# Altium PCB ATOL_POWER_BOARD_R02A03_20191009.PcbDoc
Units mm, origin at the board's own origin, x right, y up, seen from the top; angles counter-clockwise.
Board outline 85 x 64 mm, 2 copper layers (Top Layer, Bottom Layer), stack 0.325 mm thick; 36 components, 19 nets, 115 pads, 90 vias.
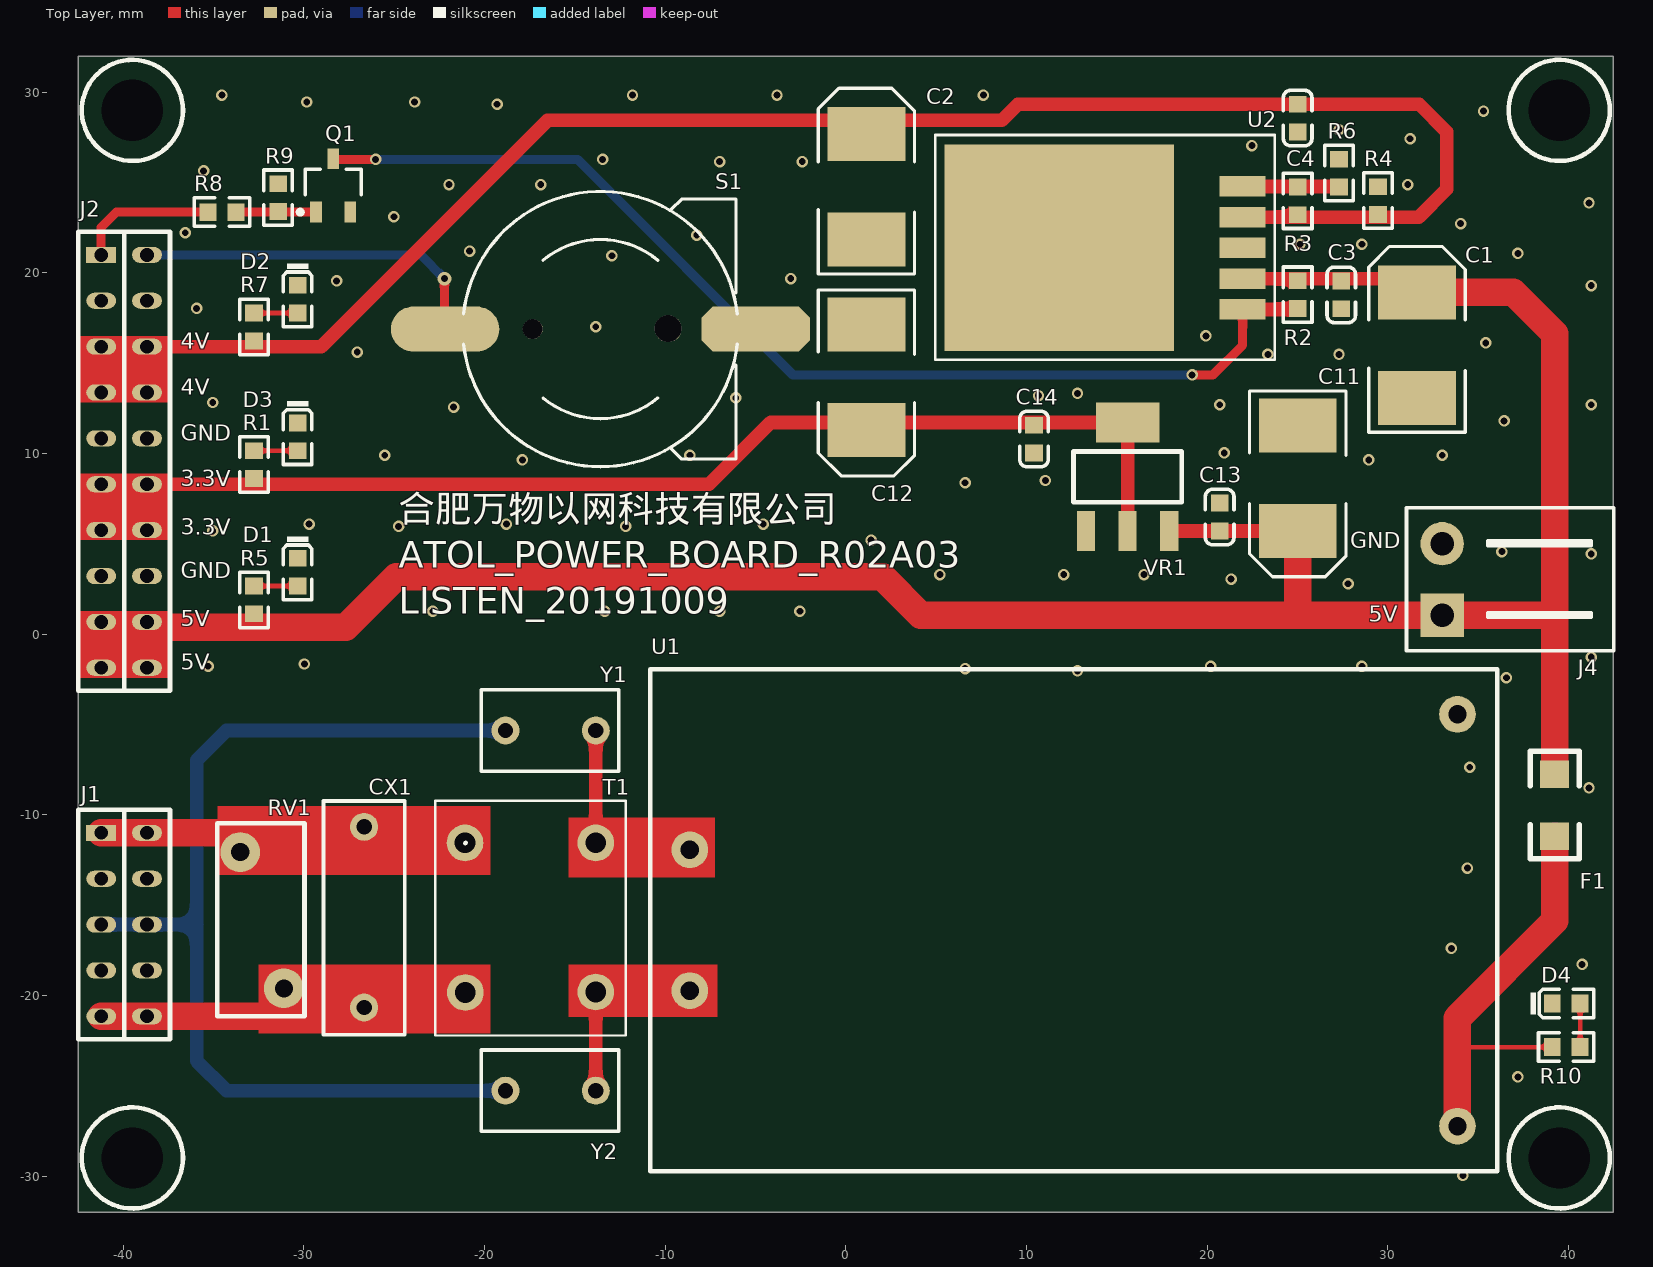
[diagram p0: Top Layer view]
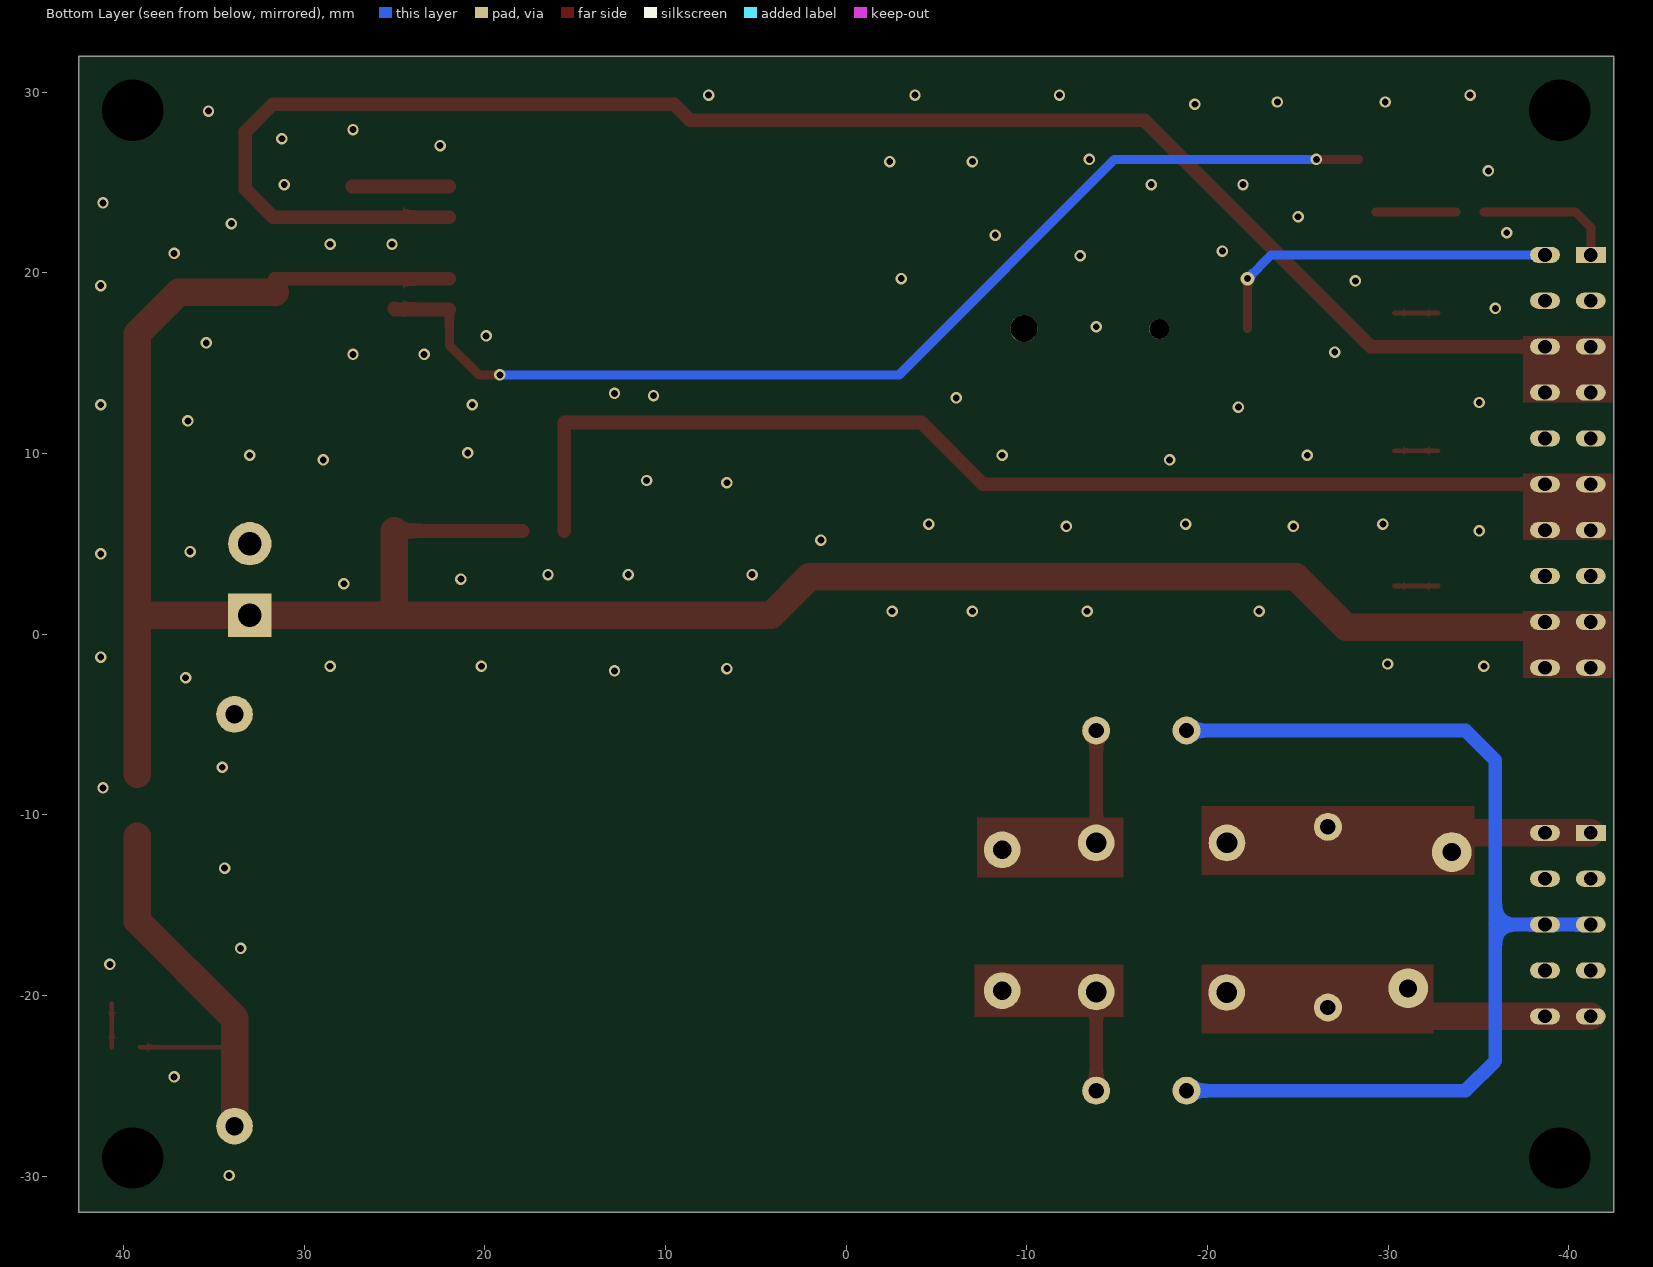
[diagram p1: Bottom Layer view, seen from below]
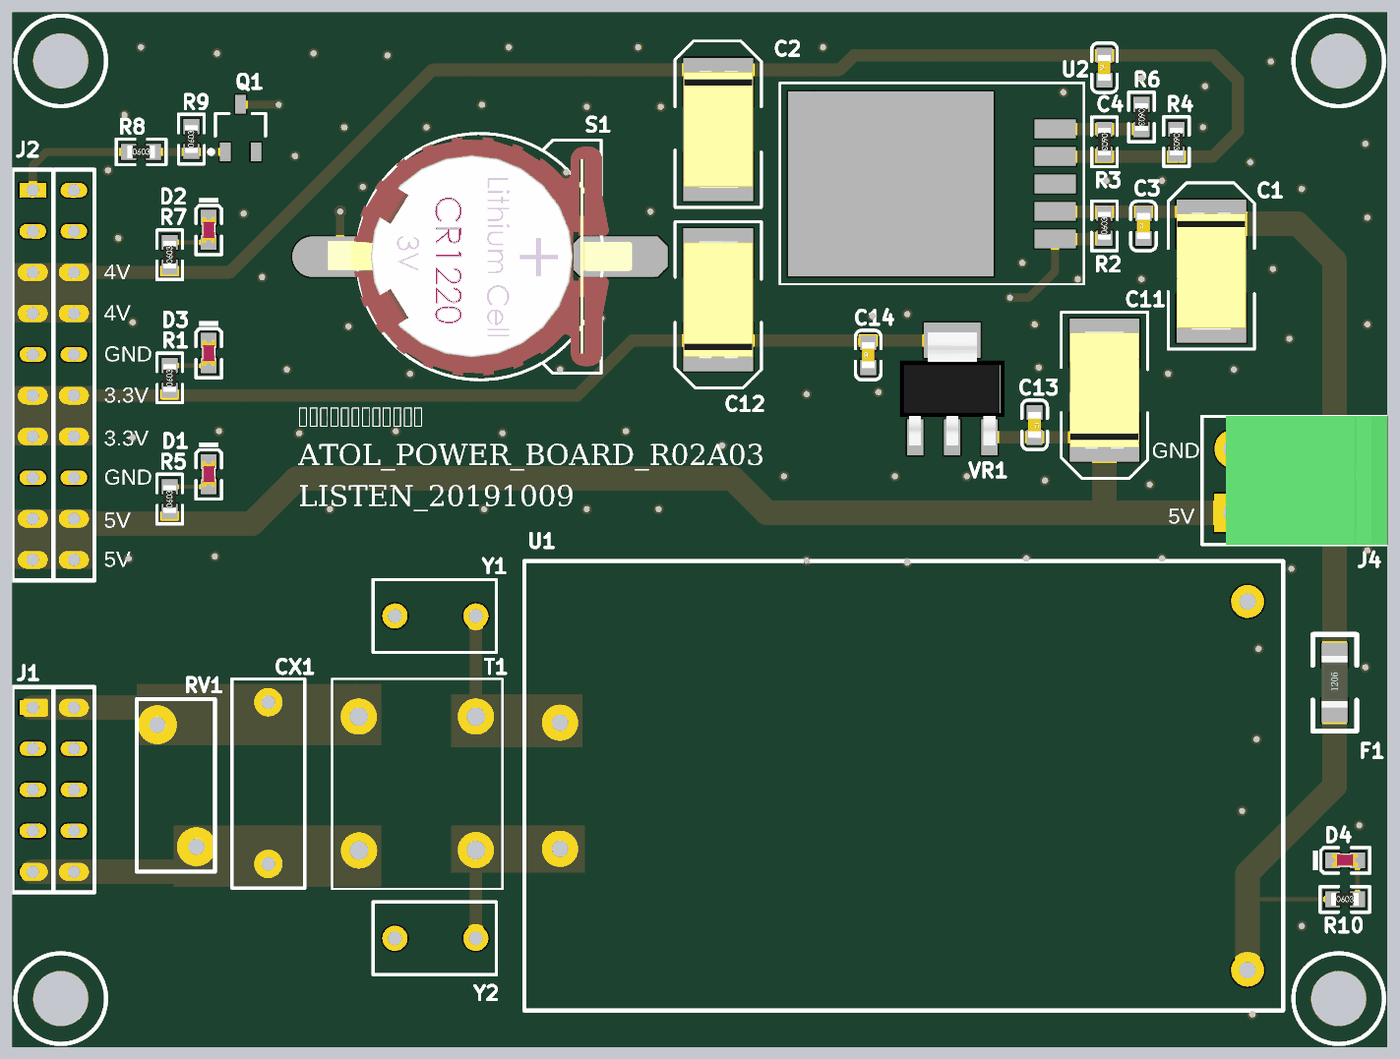
[diagram p2: 3D render of the assembled board from above, using the file's embedded part models]

## Layer stack, top to bottom
Top Solder: solder mask 0.0102, Solder Resist, Dk 3.5
Top Layer: signal copper 0.0356
Dielectric 1: core 0.254, FR-4, Dk 4.2
Bottom Layer: signal copper 0.0356
Bottom Solder: solder mask 0.0102, Solder Resist, Dk 3.5

## Board outline
-42.5,-32 42.5,-32 42.5,32 -42.5,32

## Design rules (kind name [scope] priority, off if disabled: settings)
Clearance [All] p1: gap=0.254
HoleSize [All] p1: absolutevalues=TRUE maxlimit=25.4 minlimit=0.025 maxpercent=80.000 minpercent=20.000
MinimumSolderMaskSliver [All] p1: minsoldermaskwidth=0.051
PolygonConnect [All] p1: connectstyle=Direct reliefconductorwidth=0.254 reliefentries=4 polygonreliefangle="90 Angle" airgapwidth=0.254
RoutingVias [All] p1: holewidth=0.381 width=0.762 viastyle="Through Hole" minholewidth=0.254 minwidth=0.254 maxholewidth=25.4 maxwidth=25.4
SilkToSilkClearance [All] p1: silktosilkclearance=0.051
SilkToSolderMaskClearance [IsPad] p1: minsilkscreentomaskgap=0 clearancetoexposedcopper=TRUE
SolderMaskExpansion [All] p1: expansion=0.102
Width [All] p1: maxlimit=2.54 minlimit=0.254 preferedwidth=0.254
26 further rules are at their usual default settings.

## Components (designator, comment, footprint, x,y, rotation, side; value= is the part's Value field where it differs from the comment)
C1 "470uF (7343) 16V" STEC_E(7343-43) 31.623,16.002 r90 top
C2 "470uF (7343) 16V" STEC_E(7343-43) 1.143,24.765 r90 top
C3 "100nF (104) 10% 50V" 0603_C 27.432,18.788 r90 top
C4 "100nF (104) 10% 50V" 0603_C 25.019,28.575 r90 top
C11 "470uF (7343) 16V" STEC_E(7343-43) 25.019,8.636 r270 top
C12 "470uF (7343) 16V" STEC_E(7343-43) 1.143,14.224 r270 top
C13 "100nF (104) 10% 50V" 0603_C 20.701,6.485 r270 top
C14 "100nF (104) 10% 50V" 0603_C 10.414,10.803 r90 top
CX1 "0.1uF/275VAC" X2-0.1U -26.67,-20.668 r90 top
D1 "红灯 0603" 0603_LED_S1 -30.353,3.437 r270 top
D2 "绿灯 0603" 0603_LED_S1 -30.353,18.55 r270 top
D3 "黄灯 0603" 0603_LED_S1 -30.353,10.93 r270 top
D4 "红灯 0603" 0603_LED_S1 39.886,-20.447 r0 top
F1 "Fuse" 1206R 39.243,-11.176 r90 top
J1 "2.54(5x2)" DB2.54(5x2) -41.23,-11 r270 top
J2 "2.54(10x2)" DB2.54(10x2) -41.23,21 r270 top locked
J4 "3.96(2x1)" HT3.96-WI-2P 33.02,3.048 r90 top locked
Q1 "AO3401A P道沟 X13A15 SOT-23" SOT-23-3L -28.382,24.843 r270 top
R1 "2.2KΩ (2201) ±1%" 0603_R -32.766,9.39 r90 top
R2 "51KΩ (5102) ±1%" 0603_R 25.019,18.796 r90 top
R3 "124KΩ" 0603_R 25.019,23.995 r270 top
R4 "470Ω (4700) ±1%" 0603_R 29.464,24.003 r270 top
R5 "2.2KΩ (2201) ±1%" 0603_R -32.766,1.897 r90 top
R6 "56KΩ" 0603_R 27.305,25.527 r270 top
R7 "2.2KΩ (2201) ±1%" 0603_R -32.766,17.01 r90 top
R8 "4.7KΩ (4701) ±1%" 0603_R -34.536,23.368 r0 top
R9 "47KΩ (4702) ±1%" 0603_R -31.43,24.167 r90 top
R10 "2.2KΩ (2201) ±1%" 0603_R 39.886,-22.86 r0 top
RV1 "471KD10" RV-14K -31.104,-19.62 r90 top
S1 "3V电池" BATM-1220 -13.589,16.891 r90 top locked
T1 "10mH" L-GM -21.082,-19.812 r90 top
U1 "POWER_SWITCH" POWER_HILINK -10.836,-29.738 r0 top locked
U2 "MIC29302WU" LM2596 21.971,17.983 r90 top locked
VR1 "AMS1117-3.3" SOT-223 15.607,8.715 r270 top
Y1 "1nF/400VAC" X2-1n -13.843,-5.334 r180 top
Y2 "1nF/400VAC" X2-1n -13.843,-25.273 r180 top

## Footprints (in the part's own frame and the unit in brackets; to place one, negate y for a bottom-side part, rotate by r counter-clockwise, add the part's x,y. Pads: shape width x height; smd on the part's side, far side on the other; paste and mask are expansions set on the pad)
0603_C [mm]
  rect 0.93x0.98 smd: 1(-0.77,0) 2(0.77,0)
  silkscreen extent -1.53,-0.79 1.54,0.79, body extent -0.8,-0.4 0.8,0.4, height 0.3
0603_LED_S1 [mm]
  rect 0.93x0.98 smd: A(0.77,0) K(-0.77,0)
  silkscreen extent -1.97,-0.79 1.54,0.79, body extent -0.8,-0.4 0.8,0.4, height 0.6
0603_R [mm]
  rect 0.93x0.98 smd: 1(-0.77,0) 2(0.77,0)
  silkscreen extent -1.53,-0.79 1.54,0.79, body extent -0.85,-0.4 0.85,0.4, height 0.56
1206R [mil]
  rect 60x62.99 smd: 1(0,0) 2(135,0)
  silkscreen extent -50,-54 185,53, body extent 7,-31 133,31, height 24
BATM-1220 [mm]
  round 1.1 hole 1.1 unplated: 0(0,3.748)
  round 1.5 hole 1.5 unplated: 0(0.025,-3.752)
  oct 2.5x6 smd: 1(0,-8.602)
  oval 2.5x6 smd: 2(0,8.598)
  silkscreen extent -7.62,-7.58 7.62,7.57, body extent -7.36,-9.4 7.39,9.4, height 4.23
DB2.54(5x2) [mil] "DB2.54(5x2)"
  rect 35x65 hole 30: 1(0,0)
  oval 35x65 hole 30: 2(0,100) 3(100,0) 4(100,100) 5(200,0) 6(200,100) 7(300,0) 8(300,100) 9(400,0) 10(400,100)
  silkscreen extent -50,-50 450,150
DB2.54(10x2) [mil] "DB2.54(10x2)"
  rect 35x65 hole 30: 1(0,0)
  oval 35x65 hole 30: 2(0,100) 3(100,0) 4(100,100) 5(200,0) 6(200,100) 7(300,0) 8(300,100) 9(400,0) 10(400,100) 11(500,0) 12(500,100) 13(600,0) 14(600,100) 15(700,0) 16(700,100) 17(800,0) 18(800,100) 19(900,0) 20(900,100)
  silkscreen extent -50,-50 950,150
HT3.96-WI-2P [mm] "HT3.96卧插端子"
  rect 2.4x2.4 hole 1.3: 1(-2,0)
  round 2.4 hole 1.3: 2(1.96,0)
  silkscreen extent -3.96,-9.5 3.96,1.98, body extent -3.98,-9.5 3.98,0.5, height 7.45
L-GM [mil]
  round 80 hole 45: 1(-1.1,-0.75) 2(0,-285) 3(325,0) 4(325,-285)
  silkscreen extent -95,-350 417,65
LM2596 [mil] "LM2596"
  rect 45x100 smd: 1(0,0) 2(67,0) 3(134,0) 4(201,0) 5(268,0)
  rect 450x500 smd: ""(134,400)
  silkscreen extent -110,-70 380,670
POWER_HILINK [mil] "POWER_HILINK"
  round 80 hole 40: 1(86.61,700.79) 2(86.61,393.7) 3(1759.84,996.06) 4(1759.84,98.43)
  silkscreen extent 0,0 1846,1094
RV-14K [mm]
  round 2.2 hole 1: 1(0.011,0.011) 2(7.555,2.424)
  silkscreen extent -1.52,-1.13 9.14,3.69
SOT-23-3L [mm] "http://www.aosmd.com/res/packaging_information/SOT-23-3L.pdf"
  rect 1.15x0.65 smd: 1(1.475,-0.95) 2(1.475,0.95) 3(-1.475,0)
  silkscreen extent -0.9,-1.95 1.6,1.55, body extent -0.9,-1.55 0.9,1.55, height 1.25
SOT-223 [mm]
  rect 2.2x1 smd: 1(3,-2.3) 2(3,0) 3(3,2.3)
  rect 2.2x3.5 smd: 2(-3,0)
  silkscreen extent -1.4,-3 1.4,3, body extent -3.49,-3.24 3.49,3.24, height 1.64
STEC_E(7343-43) [mm]
  rect 3x4.3 smd: 1(2.921,0) 2(-2.921,0)
  silkscreen extent -4.83,-2.67 5.46,2.67, body extent -3.65,-2.15 3.65,2.15, height 4.11
X2-0.1U [mm]
  round 1.55 hole 0.85: 1(0,0) 2(10,0)
  silkscreen extent -1.5,-2.25 11.43,2.25
X2-1n [mm]
  round 1.55 hole 0.85: 1(0,0) 2(5,0)
  silkscreen extent -1.27,-2.25 6.35,2.25

## Part data
C1 C2 C11 C12: library part "3528 100uF (107) 10% 6.3V", "钽电容"
C3 C4 C13 C14: library part "0603 100nF (104) 10% 50V", "贴片电容"
CX1 Y1 Y2: library part CAP, "普通电容"
D1 D4: library part "0603 红灯", "发光二极管"
D2: library part "0603 绿灯", "发光二极管"
D3: library part "0603 黄灯", "发光二极管"
F1: "保险丝"
J1 J2: "2.54端子"
J4: "3.96端子"
Q1: "MOS(场效应管)"
R1 R5 R7 R10: library part "0603 2.2KΩ (2201) 1%", "贴片电阻"
R2 R3 R6: library part "0603 51KΩ (5102) 1%", "贴片电阻"
R4: library part "0603 470Ω (4700) 1%", "贴片电阻"
R8: library part "0603 4.7KΩ (4701) 1%", "贴片电阻"
R9: library part "0603 47KΩ (4702) 1%", "贴片电阻"
RV1: library part MOV, "压敏电阻"
T1: library part "Trans Ideal", "Transformer (Ideal)"
U1: "POWER_SWITCH_220VAC_5VDC"
U2: "POWER"
VR1: library part "SOT-223 AMS1117-3.3", "低压差线性稳压(LDO)"

## Free pads (board coordinates)
  round 0 hole 3.4: ""(-39.5,-29) ""(-39.5,29) ""(39.5,-29) ""(39.5,29)

## Via types
v1: diameter 0.635, hole 0.381, Top Layer to Bottom Layer, tented both sides, 89 vias
v2: diameter 0.762, hole 0.381, Top Layer to Bottom Layer, tented both sides, 1 vias

## Nets (pads, with @x,y where several pads share a name; then routed paths per layer and width w, separated by ;. In a path a pad name is that pad's centre, name@x,y a point inside that pad or via, vN(x,y) a via of type N, cw(c..) or ccw(c..) an arc to the next point about the centre after c; other vN are vias at no path point)
+3.3V: C12.1 C14.2 J2.11 J2.12 J2.13 J2.14 R1.1 VR1.2 | length 61.7
  Top Layer w0.762: J2.12 -7.575,8.3 -4.16,11.715 15.607,11.715 VR1.2@15.607,5.715
+4V: C2.1 C4.2 J2.5 J2.6 J2.7 J2.8 R3.2 R4.2 R7.1 U2.4 | length 93.3
  Top Layer w0.762: J2.6 -29.038,15.92 -16.51,28.448 8.636,28.448 9.525,29.337 31.75,29.337 33.274,27.813 33.274,24.638 31.725,23.089 U2.4
+5V: C1.1 C3.2 C11.1 C13.2 F1.2 J2.17 J2.18 J2.19 J2.20 J4.1 R2.2 R5.1 U2.2 VR1.3 | length 133.9
  Top Layer w0.254: 39.211,1.048 39.243,1.016
  Top Layer w0.762: VR1.3 C13.2 C11.1 ; U2.2 C1.1@31.623,19.685
  Top Layer w1.524: J2.18@-38.227,0.381 -27.686,0.381 -24.892,3.175 2.032,3.175 4.159,1.048 25.019,1.048 ; C11.1 25.019,1.048 ; C1.1 36.957,18.923 39.243,16.637 39.243,1.016 F1.2 ; 39.211,1.048 J4.1 25.019,1.048
COMM_RESET: J2.1 R8.1 | length 7.8
  Top Layer w0.508: J2.1 -41.23,22.524 -40.386,23.368 R8.1
GND: C1.2 C2.2 C3.1 C4.1 C11.2 C12.2 C13.1 C14.1 D1.K D2.K D3.K D4.K J2.9 J2.10 J2.15 J2.16 J4.2 Q1.2 R4.1 R6.1 R9.2 S1.1 U1.3 U2.3 VR1.1
  other v1: 34.163,-29.972 37.211,-24.511 40.767,-18.288 33.528,-17.399 34.417,-12.954 41.148,-8.509 34.544,-7.366 36.576,-2.413 12.827,-2.032 6.604,-1.905 -35.306,-1.778 20.193,-1.778 28.575,-1.778 -29.972,-1.651 41.275,-1.27 -22.86,1.27 -13.335,1.27 -6.985,1.27 -2.54,1.27 27.813,2.794 21.336,3.048 5.207,3.302 12.065,3.302 16.51,3.302 41.275,4.445 36.322,4.572 1.397,5.207 -35.052,5.715 -24.765,5.969 -12.192,5.969 -29.718,6.096 -18.796,6.096 -4.572,6.096 6.604,8.382 11.049,8.509 -17.907,9.652 28.956,9.652 -25.527,9.906 -8.636,9.906 33.02,9.906 20.955,10.033 36.449,11.811 -21.717,12.573 20.701,12.7 41.275,12.7 -35.052,12.827 -6.096,13.081 10.668,13.208 12.827,13.335 23.368,15.494 27.305,15.494 -27.051,15.621 35.433,16.129 19.939,16.51 -13.843,17.018 -35.941,18.034 41.275,19.304 -28.194,19.558 -3.048,19.685 -12.954,20.955 37.211,21.082 -20.828,21.209 25.146,21.59 28.575,21.59 -8.255,22.098 -36.576,22.225 34.036,22.733 -25.019,23.114 41.148,23.876 -21.971,24.892 -16.891,24.892 31.115,24.892 -35.56,25.654 -6.985,26.162 -2.413,26.162 -13.462,26.289 22.479,27.051 31.242,27.432 27.305,27.94 35.306,28.956 -19.304,29.337 -29.845,29.464 -23.876,29.464 -34.544,29.845 -11.811,29.845 -3.81,29.845 7.62,29.845
L_AC: CX1.1 J1.9 J1.10 RV1.1 T1.1 | length 9.2
  Top Layer w1.524: J1.9 -32.053,-21.16
N_AC: CX1.2 J1.1 J1.2 RV1.2 T1.3 | length 6.9
  Top Layer w1.524: J1.1 -34.368,-11
NetD1_A: D1.A R5.2 | length 2.4
  Top Layer w0.254: R5.2 D1.A
NetD2_A: D2.A R7.2 | length 2.4
  Top Layer w0.254: R7.2 D2.A
NetD3_A: D3.A R1.2 | length 2.4
  Top Layer w0.254: R1.2 D3.A
NetD4_A: D4.A R10.2 | length 2.4
  Top Layer w0.254: R10.2 D4.A
NetF1_1: F1.1 R10.1 U1.4 | length 23.5
  Top Layer w0.254: 33.864,-22.86 R10.1
  Top Layer w1.524: U1.4 33.864,-22.86 33.864,-21.254 39.243,-15.875 F1.1
NetQ1_1: Q1.1 R8.2 R9.1 | length 4.4
  Top Layer w0.508: R8.2 Q1.1
NetQ1_3: Q1.3 R2.1 U2.1 | length 61
  Top Layer w0.254: Q1.3 Q1.3@-28.353,26.289
  Top Layer w0.508: Q1.3@-28.353,26.289 v1(-26.035,26.289) ; v1(19.177,14.351) 20.32,14.351 21.971,16.002 U2.1
  Top Layer w0.762: U2.1 24.976,17.983 R2.1
  Bottom Layer w0.508: v1(-26.035,26.289) -14.859,26.289 -2.921,14.351 v1(19.177,14.351)
NetR3_1: R3.1 R6.2 U2.5 | length 5.5
  Top Layer w0.254: R6.2@27.33,24.79 R6.2@27.432,24.892
  Top Layer w0.762: U2.5 R6.2@27.33,24.79
NetT1_2: T1.2 U1.2 Y2.1 | length 5.5
  Top Layer w0.762: Y2.1 T1.2
NetT1_4: T1.4 U1.1 Y1.1 | length 6.2
  Top Layer w0.762: T1.4 Y1.1
PE_AC: J1.5 J1.6 Y1.2 Y2.2 | length 57.5
  Bottom Layer w0.762: J1.5 -35.941,-16.08 ; Y2.2 -34.29,-25.273 -35.941,-23.622 -35.941,-16.08 ; Y1.2 -34.29,-5.334 -35.941,-6.985 -35.941,-16.08
VBAT: J2.2 S1.2 | length 19.8
  Top Layer w0.254: S1.2@-22.225,16.929 S1.2
  Top Layer w0.508: S1.2@-22.225,16.929 v2(-22.225,19.685)
  Bottom Layer w0.508: J2.2 -23.54,21 v2(-22.225,19.685)
pads on no net: J1.3 J1.4 J1.7 J1.8 J2.3 J2.4 S1.0 U2.

## Other copper
Top Layer:
  rectangle net +5V: -42.418,-2.413 -37.465,1.27
  rectangle net +4V: -42.418,12.827 -37.465,16.51
  rectangle net +3.3V: -42.418,5.207 -37.465,8.89
  rectangle net NetT1_2: -15.367,-21.209 -7.112,-18.288
  rectangle net NetT1_4: -15.367,-13.462 -7.239,-10.16
  rectangle net L_AC: -32.512,-22.098 -19.685,-18.288
  rectangle net N_AC: -34.798,-13.335 -19.685,-9.525

## Silkscreen, mask and mechanical layers (free items; w line width, h text height)
Top Overlay:
  circle w0.254: c-39.5,29 r2.8
  circle w0.254: c39.5,29 r2.8
  circle w0.254: c39.5,-29 r2.8
  circle w0.254: c-39.5,-29 r2.8
  text "4V" at -36.83,15.494 h1.52
  text "4V" at -36.83,12.954 h1.52
  text "GND" at -36.83,10.414 h1.52
  text "3.3V" at -36.83,7.874 h1.52
  text "合肥万物以网科技有限公司" at -24.765,5.715 h2.54
  text "3.3V" at -36.83,5.207 h1.52
  text "GND" at 27.94,4.445 h1.52
  text "ATOL_POWER_BOARD_R02A03" at -24.765,3.175 h2.54
  text "GND" at -36.83,2.794 h1.52
  text "LISTEN_20191009" at -24.765,0.635 h2.54
  text "5V" at 28.956,0.381 h1.52
  text "5V" at -36.83,0.127 h1.52
  text "5V" at -36.83,-2.286 h1.52
Mechanical 1:
  the board outline again, w0.254
Mechanical 15:
  lines w0.254: -42.418,-3.048 -34.29,-3.048 -28.448,-3.048 -25.4,0 1.905,0 6.35,-4.445 31.75,-4.445 31.75,-30.988

## Dimensions
39.5,29 to -39.5,29 on Mechanical 15
39.5,29 to 39.5,-29 on Mechanical 15